# Altium PCB ГРЛМ.687253.024.PcbDoc (part 2 of 2)
Units mm, origin at the board's own origin, x right, y up, seen from the top; angles counter-clockwise.
Board outline 254 x 119 mm, 4 copper layers (Top Layer, GND, VCC, Bottom Layer), stack 1.65 mm thick; 204 components, 147 nets, 649 pads, 198 vias.
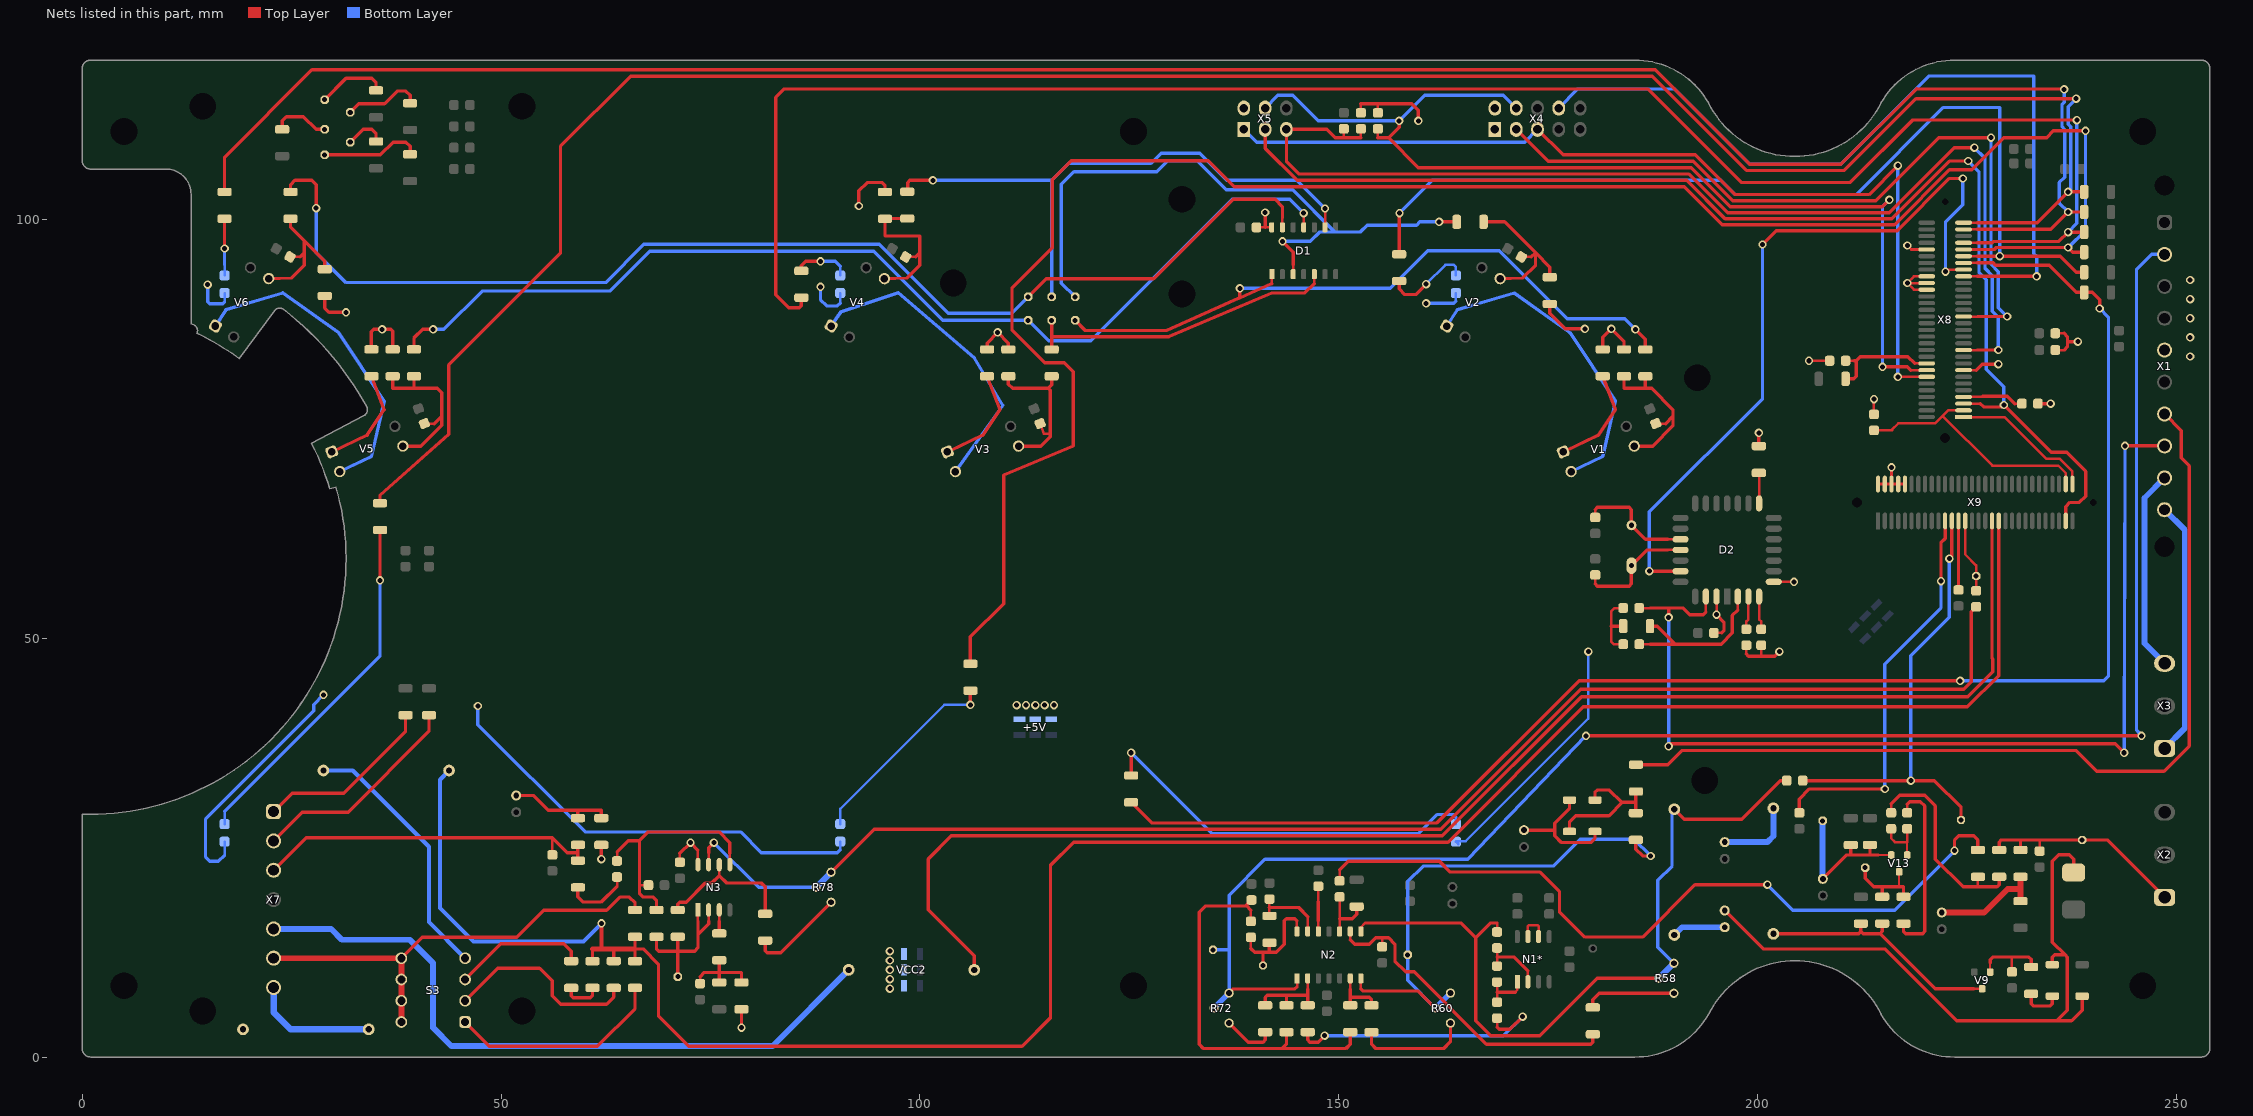
[diagram p4: the nets of this part, all layers, seen from the top]

## Via types
v1: diameter 1, hole 0.6, Top Layer to Bottom Layer, tented both sides, 198 vias

## Nets (pads, with @x,y where several pads share a name; then routed paths per layer and width w, separated by ;. In a path a pad name is that pad's centre, name@x,y a point inside that pad or via, vN(x,y) a via of type N, cw(c..) or ccw(c..) an arc to the next point about the centre after c; other vN are vias at no path point) (continued)
LDIS: D2.24 X8.45 | length 89.8
  Top Layer w0.3: v1(222.44,93.76) 222.68,94 X8.45@224.6,94
  Top Layer w0.4: v1(187.08,58) 187.087,57.994 D2.24@190.82,57.994 ; v1(200.6,97) 202.24,98.64 216.68,98.64 222.92,104.88 v1(224.52,104.88)
  Bottom Layer w0.4: v1(187.08,58) 187.08,65.08 200.6,78.6 v1(200.6,97) ; v1(222.44,93.76) 222.44,99.68 224.52,101.76 v1(224.52,104.88)
LED1: R31.2 R61.1 X8.47 | length 188.4
  Top Layer w0.3: X8.47@224.6,94.8 226.2,94.8
  Top Layer w0.4: R61.1@125.222,30.404 127.686,27.94 161.74,27.94 178.7,44.9 v1(224.2,44.9) ; 226.2,94.8 228.141,94.8 228.41,94.531 234.811,94.531 238.062,91.28 R31.2@239,91.28 239.96,91.28 240.84,90.4 v1(240.84,89.36)
  Bottom Layer w0.4: v1(224.2,44.9) 241.34,44.9 241.9,45.46 241.9,88.301 v1(240.84,89.36)
LED2: R19.1 R30.2 X8.49 | length 116.2
  Top Layer w0.3: X8.49@224.6,95.6 226.2,95.6
  Top Layer w0.4: R19.1@157.226,95.834 157.226,100.696 v1(157.26,100.73) ; 226.2,95.6 v1(228.92,95.6) 236.142,95.6 238.062,93.68 R30.2@239,93.68
  Bottom Layer w0.4: v1(157.26,100.73) 161.178,104.648 195.632,104.648 197.32,102.96 211.8,102.96 222.2,113.36 228.92,113.36 v1(228.92,95.6)
LED3: R29.2 R77.1 X8.51 | length 232.9
  Top Layer w0.3: X8.51@224.6,96.4 226.2,96.4
  Top Layer w0.4: R77.1@106.037,46.935 106.037,50.163 109.999,54.125 109.999,69.47 118.3,72.965 118.3,81.8 117.232,82.868 114.932,82.868 111,86.8 111,91.8 115.8,96.6 115.8,104.712 118.088,107 134.434,107 137.548,103.886 191.274,103.886 195.8,99.36 216.36,99.36 222.92,105.92 225.56,105.92 229.4,109.76 234.52,109.76 235.32,110.56 v1(239.16,110.56) ; 226.2,96.4 228.28,96.4 228.52,96.64 v1(237.08,96.64) 237.64,96.08 R29.2@239,96.08
  Bottom Layer w0.4: v1(237.08,96.64) 239.16,98.72 v1(239.16,110.56)
LED4: R12.1 R28.2 X8.53 | length 220.5
  Top Layer w0.3: X8.53@224.6,97.2 226.2,97.2
  Top Layer w0.4: R12.1@85.852,90.65 85.852,89.662 85.63,89.44 84.342,89.44 82.804,90.978 82.804,114.554 83.82,115.57 186.87,115.57 198.04,104.4 211.08,104.4 218.54,111.86 238.12,111.86 v1(238.12,111.84) ; 226.2,97.2 228.04,97.2 228.2,97.36 235.96,97.36 v1(237.08,98.48) R28.2@239,98.48
  Bottom Layer w0.4: v1(237.08,98.48) 238.12,99.52 v1(238.12,111.84)
LED5: R26.2 R93.1 X8.59 | length 272.1
  Top Layer w0.3: X8.59@224.6,99.6 226.2,99.6
  Top Layer w0.4: R93.1@35.56,66.116 35.56,67.056 43.755,74.34 43.755,82.617 57.1,95.962 57.1,108.7 65.494,117.094 187.426,117.094 198.68,105.84 210.36,105.84 218.92,114.4 v1(238.04,114.4) ; 226.2,99.6 233.4,99.6 v1(237.08,103.28) R26.2@239,103.28
  Bottom Layer w0.4: v1(237.08,103.28) 237.4,103.6 237.4,111.04 237.08,111.36 237.08,113.44 v1(238.04,114.4)
LED6: R1.1 R27.2 X8.57 | length 267.3
  Top Layer w0.3: X8.57@224.6,98.8 226.2,98.8
  Top Layer w0.4: R1.1@17,103.269 17,107.424 27.432,117.856 187.784,117.856 199.08,106.56 209.96,106.56 219,115.6 v1@236.6,115.516 ; 226.2,98.8 235,98.8 v1(237.08,100.88) R27.2@239,100.88
  Bottom Layer w0.4: v1(236.6,115.529) 236.6,114 236.36,113.76 236.36,111.04 236.68,110.72 236.68,105.04 236.04,104.4 236.04,101.92 v1(237.08,100.88)
M+: C49.2 MP18.1 X9.27 | length 8.9
  Top Layer w0.3: X9.27@224.8,64 224.8,60 226.1,58.7 MP18.1@226.1,57.418 C49.2@226.1,55.655
M-: C11.2 X9.25 | length 8.2
  Top Layer w0.4: C11.2@224,55.755 X9.25@224,64
MIC+: C34.2 MP16.1 X9.23 | length 54.8
  Top Layer w0.4: C34.2@205.405,33 v1(218.3,33) 221.1,33 224.3,29.8 MP16.1@224.3,28.3 ; v1(222.9,59.5) 223.2,59.8 X9.23@223.2,64
  Bottom Layer w0.4: v1(218.3,33) 218.3,47.904 222.9,52.504 v1(222.9,59.5)
MIC-: C12.1 X9.21 | length 47.3
  Top Layer w0.4: C12.1@205,29.149 205,30.8 206.2,32 v1(215.2,32) ; v1(221.9,56.8) 221.9,61.4 222.4,61.9 X9.21@222.4,64
  Bottom Layer w0.4: v1(215.2,32) 215.2,46.9 221.9,53.6 v1(221.9,56.8)
MISO: X8.1 X9.60 | length 17.2
  Top Layer w0.3: X8.1@224.6,76.4 229.5,76.4 234.5,71.4 236.1,71.4 237.6,69.9 X9.60@237.6,68.4
MIXER: C35*.2 R57.1 | length 32.8
  Top Layer w0.3: 168.91,3.556 C35*.2@168.91,4.633
  Top Layer w0.4: R57.1@146.304,2.972 146.304,2.032 146.558,1.778 147.574,1.778 v1(148.336,2.54) ; 168.91,3.556 169.164,3.302 170.434,3.302 v1(171.958,4.826)
  Bottom Layer w0.4: v1(148.336,2.54) 169.672,2.54 v1(171.958,4.826)
MOSI: R37.2 X8.3 X9.58 | length 30.6
  Top Layer w0.3: R37.2@213.906,74.818 216.059,74.818 216.018,74.859 216.8,75.64 221.2,75.64 222.1,76.54 ; X8.3@224.6,77.2 222.76,77.2 222.1,76.54 ; X9.58@236.8,68.4 236.8,69.7 235.9,70.6 228.04,70.6 222.1,76.54
NetC1_2: C1.2 R2.1 R3.1 V6.3 | length 17.4
  Top Layer w0.3: C1.2@24.818,95.513 26.008,95.513
  Top Layer w0.4: V6.3@22.273,92.926 25,93.005 26.5,94.505 26.5,96.005 ; R3.1@24.876,100.069 24.876,99.076 26.5,97.452 ; 26.008,95.513 26.5,96.005 ; R2.1@28.956,94.056 28.956,94.996 26.5,97.452 ; 26.5,96.005 26.5,97.452
NetC3_2: C3.2 R10.1 R11.1 V5.3 | length 20.9
  Top Layer w0.3: C3.2@40.857,75.62 42.05,75.62
  Top Layer w0.4: R10.1@37.068,81.273 37.068,79.825 39.608,79.825 ; V5.3@38.289,72.933 40.421,72.933 42.91,75.422 42.91,76.479 ; R11.1@39.608,81.273 39.608,79.825 ; 42.05,75.62 42.91,76.479 ; 39.608,79.825 42.402,79.825 42.91,79.317 42.91,76.479
NetC4_2: C4.2 R13.1 R14.1 V4.3 | length 19.1
  Top Layer w0.3: C4.2@98.318,95.508 99.508,95.508
  Top Layer w0.4: V4.3@95.773,92.921 98.5,93 100,94.5 100,96 ; R14.1@98.5,100.1 95.872,100.1 R13.1@95.836,100.064 95.836,98.008 100,98.008 100,96 ; 99.508,95.508 100,96
NetC5_2: C5.2 R16.1 R17.1 V3.3 | length 19.6
  Top Layer w0.3: C5.2@114.357,75.615 114.808,74.422 115.55,74.412
  Top Layer w0.4: R16.1@110.568,81.268 110.568,80.332 111.08,79.82 115.32,79.82 ; V3.3@111.789,72.928 114.428,72.928 115.55,74.051 115.55,74.412 115.55,79.59 115.32,79.82 ; R17.1@115.736,81.268 115.736,80.236 115.32,79.82
NetC7_2: C7.2 R20.1 R21.1 V2.3 | length 19.6
  Top Layer w0.3: C7.2@171.819,95.508 173.008,95.508
  Top Layer w0.4: R20.1@167.3,99.7 169.8,99.7 173.5,96 ; V2.3@169.274,92.921 172,93 173.5,94.5 173.5,96 ; 173.008,95.508 173.5,96 ; R21.1@175.2,93.1 175.2,94.3 173.5,96
NetC8_2: C8.2 R23.1 R24.1 V1.3 | length 19.8
  Top Layer w0.3: C8.2@187.858,75.615 189.051,75.615
  Top Layer w0.4: R23.1@184.068,81.268 184.068,79.82 186.608,79.82 ; V1.3@185.289,72.928 187.482,72.928 189.91,75.356 189.91,76.474 ; R24.1@186.608,81.268 186.608,79.82 ; 189.051,75.615 189.91,76.474 ; 186.608,79.82 187.388,79.82 189.91,77.298 189.91,76.474
NetC16_1: C16.1 V7.1 V8.2 | length 14.9
  Top Layer w0.4: C16.1@172.12,27.08 175.8,27.08 ; V8.2@177.56,30.675 177.56,29.68 175.8,27.92 175.8,27.08 ; V7.1@180.6,26.925 180.6,26.08 180.12,25.6 176.602,25.6 175.8,26.402 175.8,27.08
NetC17_1: C17.1 R42.1 | length 9.4
  Bottom Layer w0.7: C17.1@196.088,25.654 201.168,25.654 201.9,26.386 R42.1@201.9,29.7
NetC20_1: C20.1 D2.4 | length 4
  Top Layer w0.3: D2.4@200.19,54.974 200.19,52.254 200.444,52 C20.1@200.444,51.075
NetC21_1: C21.1 D2.3 | length 4
  Top Layer w0.3: C21.1@198.666,51.075 198.666,52 198.92,52.254 D2.3@198.92,54.974
NetC22_1: C22.1 C24.2 R41.1 | length 8.2
  Top Layer w0.3: C22.1@183.965,49.28 182.835,49.28 182.52,49.595 182.52,51.44 182.52,53.2 182.92,53.6 C24.2@183.965,53.6
  Top Layer w0.4: 182.52,51.44 R41.1@183.965,51.44
NetC22_2: C22.2 D2.2 R41.2 | length 20.2
  Top Layer w0.3: C22.2@185.875,49.28 187.165,49.28 ; 197.65,53.36 D2.2@197.65,54.974
  Top Layer w0.4: 187.165,49.28 190.2,49.28 ; R41.2@187.165,51.44 188.04,51.44 190.2,49.28 ; 197.65,53.36 197,52.711 197,50.628 195.653,49.28 190.2,49.28
NetC24_1: C24.1 D2.27 X1.8 | length 123.1
  Top Layer w0.3: C24.1@185.875,53.6 187.165,53.6 ; 193.84,53.12 D2.27@193.84,54.974
  Top Layer w0.4: 187.165,53.6 189.401,53.6 ; v1(189.4,37.1) 189.7,37.4 242.703,37.4 v1(243.78,36.322) ; v1(189.4,52.48) 189.401,52.481 189.401,53.6 ; 193.84,53.12 193.535,52.815 191.907,52.815 191.122,53.6 189.401,53.6 ; v1(243.88,72.96) 243.886,72.955 X1.8@248.6,72.955
  Bottom Layer w0.4: v1(189.4,37.1) v1@189.4,52.48 ; v1(243.78,36.322) v1(243.88,72.96)
NetC25_2: C25.2 D2.22 Q1.2 | length 14.4
  Top Layer w0.3: 180.632,56.47 C25.2@180.632,57.547 ; 189.268,60.534 D2.22@190.82,60.534
  Top Layer w0.4: 180.632,56.47 180.886,56.216 184.696,56.216 184.95,56.47 Q1.2@184.95,58.66 186.825,60.534 189.268,60.534
NetC26_2: C26.2 D2.21 Q1.1 | length 13.9
  Top Layer w0.3: C26.2@180.632,64.41 180.632,65.36 ; 189.268,61.804 D2.21@190.82,61.804
  Top Layer w0.4: 180.632,65.36 180.886,65.614 184.696,65.614 184.95,65.36 Q1.1@184.95,63.482 186.628,61.804 189.268,61.804
NetC27_2: C27.2 MP12.1 R50.2 R52.1 X2.1 | length 26.2
  Top Layer w0.3: C27.2@233.68,24.577 233.68,25.908
  Top Layer w0.4: R52.1@228.854,24.714 228.854,25.654 229.108,25.908 231.394,25.908 ; R50.2@231.394,24.714 231.394,25.908 ; X2.1@248.6,19.05 241.742,25.908 MP12.1@238.76,25.908 233.68,25.908 231.394,25.908
NetC28_1: C28.1 MP13.1 R46.2 R47.1 V13.2 | length 18.7
  Top Layer w0.25: 214.436,24.114 V13.2@215.966,24.114
  Top Layer w0.4: C28.1@207.8,21.266 210.654,24.12 211.148,24.12 ; R47.1@211.14,25.314 211.148,25.306 211.148,24.12 ; R46.2@213.426,25.314 213.426,24.12 ; 214.436,24.12 213.426,24.12 ; 211.148,24.12 213.426,24.12
  Bottom Layer w0.7: MP13.1@207.772,28.194 207.772,21.294 C28.1@207.8,21.266
NetC29_1: C29.1 R50.1 R51.1 | length 13.5
  Top Layer w0.7: C29.1@221.996,17.256 227.06,17.256 229.87,20.066 231.394,20.066 ; R51.1@231.394,18.618 231.394,20.066 ; R50.1@231.394,21.514 231.394,20.066
NetC30_1: C30.1 C31.2 V13.1 | length 6.4
  Top Layer w0.25: V13.1@217.866,24.114 217.866,25.654
  Top Layer w0.3: C30.1@215.966,27.239 215.966,26.096 216.408,25.654 217.866,25.654 C31.2@217.866,27.239
NetC30_2: C30.2 R52.2 R54.1 | length 24.9
  Top Layer w0.3: C30.2@215.966,29.149 215.966,30.226 ; 226.314,20.326 R54.1@226.314,21.514
  Top Layer w0.4: 215.966,30.226 216.982,31.242 219.964,31.242 221.234,29.972 221.234,23.622 224.536,20.32 228.6,20.32 228.854,20.574 R52.2@228.854,21.514
NetC31_1: C31.1 R53.1 | length 22.1
  Top Layer w0.3: C31.1@217.866,29.149 217.866,30.16
  Top Layer w0.4: R53.1@217.424,15.926 217.424,14.986 217.678,14.732 219.71,14.732 219.964,14.986 219.964,29.972 219.456,30.48 218.186,30.48 217.866,30.16
NetC32_1: C32.1 V10.2 V11.1 V12.2 | length 77.9
  Top Layer w0.4: C32.1@196.088,17.494 200.682,12.9 215.192,12.9 223.774,4.318 235.712,4.318 ; V10.2@235.204,11.019 235.204,11.938 235.458,12.192 236.728,12.192 ; V12.2@237.744,22.022 237.744,23.622 237.236,24.13 235.966,24.13 235.204,23.368 235.204,13.716 236.728,12.192 ; V11.1@238.76,7.269 238.76,5.588 237.49,4.318 235.712,4.318 ; 235.712,4.318 236.982,5.588 236.982,11.938 236.728,12.192
NetC32_2: C32.2 R45.2 | length 6.4
  Bottom Layer w0.7: R45.2@190.076,14.572 190.997,15.494 C32.2@196.088,15.494
NetC34_1: C34.1 N2.8 R45.1 R55*.1 R58.2 R58.3 | length 93.2
  Top Layer w0.3: N2.8@152.654,14.992 152.654,15.494 153.162,16.002 ; R55*.1@168.91,14.925 168.91,16.002
  Top Layer w0.4: 153.162,16.002 164.592,16.002 166.37,14.224 ; 168.91,16.002 168.148,16.002 166.37,14.224 ; R58.2@188.214,9.398 180.848,9.398 173.99,2.54 168.148,2.54 166.37,4.318 166.37,14.224 ; R45.1@190.076,29.572 191.248,28.4 198.1,28.4 202.7,33 C34.1@203.495,33
  Bottom Layer w0.4: R58.3@190.014,11.19 188.1,13.104 188.1,21.1 189.8,22.8 189.8,29.297 R45.1@190.076,29.572
  Bottom Layer w0.7: R58.2@188.214,9.398 190.006,11.19 R58.3@190.014,11.19
NetC35*_1: C35*.1 N1*.1 R56*.2 | length 5.9
  Top Layer w0.3: C35*.1@168.91,6.543 168.91,7.747 R56*.2@168.91,8.951 ; 171.069,7.747 171.323,8.001 N1*.1@171.323,8.984
  Top Layer w0.4: 168.91,7.747 171.069,7.747
NetC37_1: C37.1 R54.2 | length 92.8
  Top Layer w0.3: C37.1@150.114,21.021 150.114,22.352
  Top Layer w0.4: 150.114,22.352 151.13,23.368 162.038,23.368 163.325,22.08 174.04,22.08 176.36,19.76 176.36,17.36 179.4,14.32 186.28,14.32 192.534,20.574 v1(201.168,20.574) ; v1(223.52,24.638) 223.52,25.908 224.028,26.416 225.806,26.416 226.314,25.908 R54.2@226.314,24.714
  Bottom Layer w0.4: v1(201.168,20.574) 204.216,17.526 216.408,17.526 v1(223.52,24.638)
NetC37_2: C37.2 N2.10 R65.2 | length 7.3
  Top Layer w0.3: N2.10@150.114,14.992 150.114,16.513 C37.2@150.114,19.111
  Top Layer w0.4: 150.114,16.513 151.641,16.513 152.146,17.018 R65.2@152.146,17.958
NetC42_1: C42.1 R87.2 R88.1 | length 12.8
  Top Layer w0.4: C42.1@51.816,31.226 53.864,31.226 55.626,29.464 59.182,29.464 ; R87.2@59.182,28.524 59.182,29.464 ; R88.1@61.976,28.524 61.976,29.464 59.182,29.464
NetC43_2: C43.2 R86.1 R87.1 X7.3 | length 42.6
  Top Layer w0.3: C43.2@56.134,24.13 56.134,26.162
  Top Layer w0.4: X7.3@22.86,22.296 26.726,26.162 56.134,26.162 57.912,24.384 59.182,24.384 ; R86.1@59.182,23.444 59.182,24.384 ; R87.1@59.182,25.324 59.182,24.384
NetC47_1: C47.1 C50.2 N3.5 R96.2 | length 29.6
  Top Layer w0.3: C47.1@63.85,23.399 63.85,24.476 ; 66.53,20.52 C50.2@67.607,20.52 ; N3.5@77.325,22.966 77.325,24.33
  Top Layer w0.4: 63.85,24.476 65.204,25.83 66.53,25.83 ; R96.2@68.562,17.548 68.562,18.738 68.2,19.1 67,19.1 66.53,19.57 66.53,20.52 66.53,25.83 ; 77.325,24.33 77.325,25.574 76.029,26.87 67.57,26.87 66.53,25.83
NetC47_2: C47.2 R86.2 | length 7.9
  Top Layer w0.3: 63.85,20.412 C47.2@63.85,21.489
  Top Layer w0.4: R86.2@59.182,20.244 59.182,19.118 59.8,18.5 61.937,18.5 63.85,20.412
NetC48_2: C48.2 R80.1 R81.2 R97.1 | length 9.8
  Top Layer w0.3: C48.2@73.769,8.763 73.769,9.586
  Top Layer w0.4: 73.769,9.586 74.277,10.094 76.055,10.094 ; R81.2@76.055,8.9 76.055,10.094 ; R97.1@76.055,11.554 76.055,10.094 ; R80.1@78.704,8.9 78.704,10.094 76.055,10.094
NetC49_1: C49.1 N3.7 R78.2 R78.3 | length 174.6
  Top Layer w0.3: N3.7@74.785,22.966 74.785,24.384
  Top Layer w0.4: 74.785,24.384 74.785,24.965 v1(75.42,25.6) ; R78.3@89.412,22.058 94.532,27.178 162.178,27.178 178.9,43.9 224.614,43.9 225.5,44.786 225.5,53.145 C49.1@226.1,53.745
  Bottom Layer w0.4: v1(75.42,25.6) 80.754,20.266 R78.2@87.612,20.266 R78.2@87.62,20.266
  Bottom Layer w0.7: R78.2@87.62,20.266 R78.3@89.412,22.058
NetC52_1: C52.1 C152.1 R69.1 R74.1 | length 46.8
  Top Layer w0.3: C52.1@139.522,16.195 139.522,17.526
  Top Layer w0.4: 139.522,17.526 139.014,18.034 ; C152.1@139.6,18.745 139.014,18.159 139.014,18.034 ; R69.1@143.764,2.972 143.764,1.524 143.256,1.016 ; R74.1@151.384,2.972 151.384,1.524 150.876,1.016 143.256,1.016 ; 139.014,18.034 134.112,18.034 133.35,17.272 133.35,1.524 133.858,1.016 143.256,1.016
NetC52_2: C52.2 MP19.1 N2.14 R68.2 | length 14.4
  Top Layer w0.3: 139.522,12.954 C52.2@139.522,14.285 ; N2.14@145.019,14.992 145.019,16.256
  Top Layer w0.4: 139.522,12.954 139.954,12.522 140.97,12.522 ; MP19.1@140.97,10.922 140.97,12.522 ; R68.2@141.732,13.64 141.732,12.522 ; 145.019,16.256 144.765,16.51 143.764,16.51 143.51,16.256 143.51,13.467 142.565,12.522 141.732,12.522 ; 140.97,12.522 141.732,12.522
NetD1_1: D1.1 MP1.1 R24.2 | length 83.3
  Top Layer w0.3: 142.02,92.33 D1.1@142.02,93.45
  Top Layer w0.4: MP1.1@118.536,87.948 119.754,86.73 129.443,86.73 138.106,90.587 138.21,90.634 ; v1(138.21,91.77) 138.21,90.634 ; 142.02,92.33 138.21,90.634 ; v1(185.42,86.868) 186.608,85.68 R24.2@186.608,84.468
  Bottom Layer w0.4: v1(138.21,91.77) 156.149,91.77 160.645,96.266 169.164,96.266 177.292,88.138 184.15,88.138 v1(185.42,86.868)
NetD1_3: D1.3 MP2.1 R20.2 | length 77.7
  Top Layer w0.3: D1.3@144.56,93.45 144.56,94.57
  Top Layer w0.4: v1(143.29,97.37) 144.56,96.1 144.56,94.57 ; v1(162,99.7) R20.2@164.1,99.7
  Bottom Layer w0.4: MP2.1@118.536,90.748 116.9,92.384 116.9,104.2 118.4,105.7 128.3,105.7 129.6,107 133.1,107 136.57,103.53 144.502,103.53 149.542,98.49 ; v1(143.29,97.37) 146.615,97.37 147.735,98.49 149.542,98.49 ; v1(162,99.7) 159.7,99.7 159.3,99.3 153.394,99.3 152.584,98.49 149.542,98.49
NetD1_5: D1.5 MP3.1 R17.2 | length 37.5
  Top Layer w0.3: 147.1,92.33 D1.5@147.1,93.45
  Top Layer w0.4: R17.2@115.736,84.468 MP3.1@115.736,87.948 ; 115.736,86 129.742,86 142.02,91.21 145.98,91.21 147.1,92.33
NetD1_9: D1.9 MP4.1 R14.2 | length 71.3
  Top Layer w0.3: D1.9@148.37,99.05 v1(148.37,101.29)
  Top Layer w0.4: R14.2@98.552,103.2 98.552,104.394 98.806,104.648 v1(101.552,104.648)
  Bottom Layer w0.4: v1(101.552,104.648) 115.736,104.648 ; MP4.1@115.736,90.748 115.736,104.648 ; v1(148.37,101.29) 145.01,104.65 136.65,104.65 133.4,107.9 128.8,107.9 127.6,106.7 117.788,106.7 115.736,104.648
NetD1_11: D1.11 MP5.1 R11.2 | length 125.7
  Top Layer w0.3: D1.11@145.83,99.05 v1(145.83,100.73)
  Top Layer w0.4: R11.2@39.608,84.473 39.608,85.836 40.64,86.868 v1(41.91,86.868)
  Bottom Layer w0.4: v1(41.91,86.868) 43.18,86.868 47.752,91.44 62.992,91.44 67.749,96.197 94.503,96.197 102.752,87.948 MP5.1@112.936,87.948 115.384,85.5 120.4,85.5 137.31,102.41 144.15,102.41 v1(145.83,100.73)
NetD1_13: D1.13 MP6.1 R3.2 | length 143.1
  Top Layer w0.3: D1.13@143.29,99.05 143.29,100.17
  Top Layer w0.4: R3.2@24.876,103.269 24.876,104.124 25.4,104.648 27.432,104.648 27.94,104.14 v1(27.94,101.346) ; MP6.1@112.936,90.748 115.088,92.9 127.904,92.9 137.414,102.41 142.401,102.41 143.29,101.521 143.29,100.17
  Bottom Layer w0.4: v1(27.94,101.346) 27.94,96.012 31.496,92.456 62.49,92.456 67.062,97.028 95.172,97.028 103.4,88.8 110.988,88.8 MP6.1@112.936,90.748
NetD2_12: D2.12 R25.1 | length 3.6
  Top Layer w0.3: R25.1@200.162,69.729 200.19,69.701 D2.12@200.19,66.094
NetH1_2: H1.2 R61.2 | length 47.4
  Top Layer w0.4: R61.2@125.222,33.604 v1(125.222,36.322)
  Bottom Layer w0.3: H1.2@164,27.81 164,28.636
  Bottom Layer w0.4: v1(125.222,36.322) 134.904,26.64 159.48,26.64 161.796,28.956 163.68,28.956 164,28.636
NetH2_2: H2.2 R19.2 | length 10.6
  Top Layer w0.4: R19.2@157.226,92.634 157.226,91.694 157.899,91.021 159.201,91.021 v1(160.446,92.266)
  Bottom Layer w0.3: v1@160.462,92.25 v1(160.446,92.266) 162.732,94.552 163.748,94.552 164,94.3 H2.2@164,93.3
NetH3_2: H3.2 R77.2 | length 24.2
  Top Layer w0.4: v1(106.037,42.033) R77.2@106.037,43.735
  Bottom Layer w0.3: H3.2@90.5,27.81 90.5,29.615 102.918,42.033 v1(106.037,42.033)
NetH4_2: H4.2 R12.2 | length 6.9
  Top Layer w0.4: R12.2@85.852,93.85 85.852,94.488 86.36,94.996 v1(88.138,94.996)
  Bottom Layer w0.3: H4.2@90.5,93.3 90.5,94.412
  Bottom Layer w0.4: v1(88.138,94.996) 89.916,94.996 90.5,94.412
NetH5_2: H5.2 R93.2 | length 42.8
  Top Layer w0.4: v1(35.56,56.896) R93.2@35.56,62.916
  Bottom Layer w0.3: H5.2@17,27.81 17,29.356
  Bottom Layer w0.4: 17,29.356 35.56,47.916 v1(35.56,56.896)
NetH6_2: H6.2 R1.2 | length 6.8
  Top Layer w0.4: v1(17,96.52) R1.2@17,100.069
  Bottom Layer w0.3: H6.2@17,93.3 17,94.55
  Bottom Layer w0.4: 17,94.55 v1(17,96.52)
NetMP7_1: MP7.1 R4.1 | length 8.3
  Top Layer w0.4: MP7.1@28.956,114.3 31.496,116.84 34.576,116.84 35.084,116.332 R4.1@35.084,115.392
NetMP8_1: MP8.1 R6.1 | length 9.3
  Top Layer w0.4: MP8.1@32.004,112.776 33.02,113.792 36.1,113.792 37.624,115.316 38.64,115.316 39.148,114.808 R6.1@39.148,113.868
NetMP9_1: MP9.1 R5.1 | length 6.9
  Top Layer w0.4: R5.1@23.876,110.744 23.876,111.76 24.384,112.268 26.416,112.268 27.94,110.744 MP9.1@28.956,110.744
NetMP10_1: MP10.1 R7.1 | length 4.9
  Top Layer w0.4: MP10.1@32.004,109.22 33.528,110.744 34.576,110.744 35.084,110.236 R7.1@35.084,109.296
NetMP11_1: MP11.1 R8.1 | length 12
  Top Layer w0.4: MP11.1@28.956,107.696 35.592,107.696 37.116,109.22 38.64,109.22 39.148,108.712 R8.1@39.148,107.772
NetMP14_1: MP14.1 R48.1 R53.2 V13.3 | length 10.4
  Top Layer w0.25: 216.916,20.32 V13.3@216.916,22.114
  Top Layer w0.4: MP14.1@212.852,22.606 212.852,21.336 213.868,20.32 214.884,20.32 ; R48.1@214.884,19.126 214.884,20.32 ; R53.2@217.424,19.126 217.424,20.32 216.916,20.32 214.884,20.32
NetMP17_1: MP17.1 N3.1 N3.2 R95.1 R96.1 | length 19.4
  Top Layer w0.3: 73.515,16.202 N3.1@73.515,17.566 ; 74.785,16.202 N3.2@74.785,17.566
  Top Layer w0.4: R96.1@68.562,14.348 68.562,12.9 68.816,12.646 71.102,12.646 ; MP17.1@71.102,9.6 71.102,12.646 ; R95.1@71.102,14.348 71.102,12.646 ; 73.515,16.202 73.515,14.615 ; 74.785,16.202 74.785,15.885 73.515,14.615 ; 71.102,12.646 73.134,12.646 73.515,13.027 73.515,14.615